# KiCad board TRS80IJP_1.kicad_pcb (continued)
## Routing (per net, layer and track width the routed paths; a pad name or vN(x,y) marks a point on that pad's centre or on a via; arc(x,y) is an arc through that point) (continued)
OUTSIG: length 397.2
  Top w0.25: v1(50.06,47.82) 48.97,48.92 45.67,48.92 45.66,48.9 45.66,48.92 43.13,51.46 38.23,51.46 37.37,52.32 35.32,52.32 34.2,51.2 34.2,50.89 34.34,50.75 34.34,49.8 33.45,48.92 28.39,48.92 v1(28.38,48.91) ; Z31.5 v1(28.43,52.87)
  Bottom w0.25: v1(28.43,52.87) 28.43,48.96 v1(28.38,48.91) 28.38,47.24 25.5,44.36 25.5,37.46 27.48,35.48 27.48,16.6 28.63,15.45 28.63,5.43 31.01,3.05 72.63,3.05 73.72,1.96 129.23,1.96 134.37,7.1 141.78,7.1 145.28,10.6 158.17,10.6 161.34,13.77 161.34,51.06 Z40.6 ; Z4.9 47.49,73.95 47.78,73.66 46.82,72.7 46.82,66.16 49.22,63.76 49.22,57.64 50.06,56.8 v1(50.06,47.82) 50.06,39.25 46.99,36.18 46.99,9.28 49.98,6.29 62.47,6.29 65.98,9.8 65.98,14.73 67.91,16.66 67.91,26.36 68.82,27.27 68.82,28.43 Z53.3
R1: length 399.3
  Top w0.25: v1(95.82,103.54) 96.99,102.37 98.87,102.37 98.94,102.3 104.62,102.3 105.95,103.63 108.41,103.63 Z8.10 121.05,103.67 v1(122.22,102.5) ; v1(75.56,60.42) 74.34,61.64 69.08,61.64 67.77,60.33 67.61,60.49 62.67,60.49 ; v1(208.73,127.69) 211.82,130.78 217.63,130.78 217.64,130.77 248.55,130.77 252.54,132.44 252.9,132.44 258.45,132.56 261.65,135.82 v1(262.6,135.82) ; Z7.14 92.19,118.05 92.16,118.05 91.61,117.5 81.83,117.5 v1(81.81,117.47) ; v1(82.42,59.22) 80.76,58.76 79.09,58.26 Z34.12 ; v1(174.52,96.7) 173.78,95.96 168.79,95.96 168.3,96.45 165.72,96.45 165.25,95.98 159.42,95.98 159.17,95.73 157.37,95.73 156.77,96.33 144.69,96.33 144.14,95.78 130.49,95.78 129.96,96.31 127.74,96.31 127.41,95.98 122.88,95.98 121.63,97.23 v1(121.63,98.33)
  Bottom w0.25: v1(208.73,127.69) 200.36,127.83 194.95,123.04 187.39,123.04 187.37,123.06 187.33,123.06 183.48,119.21 176.3,119.21 175.38,118.29 175.42,105.27 174,102.15 174.04,97.18 v1(174.52,96.7) ; v1(75.56,60.42) 75.6,60.42 Z34.12 ; v1(82.42,59.22) 82.51,59.22 82.91,59.62 82.91,65.62 80.21,68.32 80.21,82.6 80.65,83.04 80.65,94.28 79.25,95.68 79.24,95.68 79.24,97.39 80.65,98.8 80.65,110.52 81.86,111.73 81.86,117.42 v1(81.81,117.47) ; v1(121.63,98.33) 121.63,101.91 v1(122.22,102.5) ; 254.64,65.57 255.79,65.57 262.99,72.77 263.19,76.27 270.26,80.85 270.29,83.7 266.07,87.73 266.17,93.8 267.12,94.75 267.12,120.99 267.11,121.16 267.13,121.34 263.22,126.46 263.22,131.08 264.05,131.91 264.05,134.37 v1(262.6,135.82) ; v1(95.82,103.54) 95.21,104.15 95.21,116.75 Z7.14
R2: length 148.8
  Top w0.25: v1(67.88,55.41) 62.67,55.41 ; Z5.13 65.46,114.61 68.16,114.61 68.61,115.06 91.82,115.06 Z7.12 95.12,113.83 96.22,112.73 97.7,112.73 97.71,112.74 98.97,111.48 98.97,110.89 99.84,110.02 102.12,110.02 103.41,111.29 Z8.13 ; Z7.1 90.63,118.91 v1(90.75,118.79)
  Bottom w0.25: v1(67.88,55.41) 68.51,56.04 68.51,66.97 68.79,67.25 68.79,73.75 68.03,74.51 68.03,79.22 68.67,79.86 68.67,112 66.98,113.69 65.45,113.69 Z5.13 ; Z7.12 90.76,116.12 90.76,118.78 v1(90.75,118.79) ; 62.67,55.41 66.01,52.07 66.01,42.03 JP7.4
R4: length 177.1
  Top w0.25: v1(97.51,114.06) 97.74,113.83 Z8.3 ; v1(99.68,9.1) 99.2,9.1 98.54,9.76 86.96,9.76 86.51,9.31 82.06,9.31 81.42,9.95 72.69,9.95 69.32,6.58 46.32,6.58 JP8.4 ; v1(97.77,106.23) 97.75,106.21 Z7.9
  Bottom w0.25: v1(97.51,114.06) 98.53,113.04 98.53,106.99 v1(97.77,106.23) 97.77,98.37 JP6.1 98.88,91.45 98.88,90.07 98.57,89.76 98.57,79.54 98.17,79.14 98.17,63.01 99.2,61.98 99.2,42.97 100.31,41.86 100.31,37.87 98.98,36.54 98.98,18.58 99.68,17.88 v1(99.68,9.1)
R8: length 15.3
  Top w0.25: Z7.8 94.69,105.31 96.39,105.31 97.12,104.58 99.2,104.58 Z8.6
  Bottom w0.25: JP6.4 94.56,99.65 94.56,102.16 Z7.8
RAM: length 120.6
  Top w0.25: v1(182.12,15.3) 223.57,15.3 225.23,16.96 260.54,16.96 v1(261.02,17.44) ; Z60.3 173.42,32.5 Z59.15
  Bottom w0.25: v1(182.12,15.3) 182.12,18.3 180.21,20.21 180.21,30.54 Z60.3 ; Z64.11 260.25,28.13 260.25,18.21 v1(261.02,17.44)
RAS: length 235.1
  Top w0.25: Z66.12 292.68,27.33 291.9,27.33 291.89,27.34 287.95,27.34 v1(287.64,27.65) ; Z64.4 255.79,31.28 263.57,31.28 265.9,33.61 278.38,33.61 279.54,32.45 Z66.3
  Bottom w0.25: v1(287.64,27.65) 287.7,27.71 287.7,31.02 286.27,32.45 Z66.3 287.01,34.36 287.01,40.26 288.01,41.26 288.01,47.48 289.01,48.48 289.01,72.41 287.68,73.74 287.68,98.53 287.67,98.54 287.67,120.63 286.37,121.93 286.37,129.56 287.36,130.55 294.91,130.55 301.59,137.23 308.62,137.23 313.33,132.52 322.26,132.52 325.86,136.12 325.86,151.42 329.25,154.81 329.25,169.97 330.22,170.94 330.22,173.66 329.93,173.95 E1.1
RD: length 501.5
  Top w0.25: v1(349.98,83.5) 349.72,83.24 346.13,83.24 ; v1(274.21,16.89) 271.34,14.02 258.59,14.02 257.69,14.92 231.82,14.92 231.29,14.39 231.22,14.39 231.19,14.42 225.86,14.42 225.17,13.73 183.72,13.73 182.98,12.99 181.16,12.99 178.39,15.76 173.39,15.68 170.52,14.36 169.11,13.65 169.09,13.65 v1(167.49,12.05) ; Z29.5 103.77,80.79 104.95,81.97 111.16,81.97 112.51,80.62 122.19,80.62 125.31,83.74 156.28,83.74 v1(169.49,70.53) ; v1(347.33,71.85) 347.32,71.86 344.69,71.86 340.05,67.47 322.27,67.39 317.16,71.74 276.3,71.74 275.95,72.09 v1(275.7,72.09)
  Bottom w0.25: Z30.5 348.13,85.32 348.13,89.04 348.54,89.45 348.54,95.42 349.48,96.36 349.48,132.36 349.39,132.45 349.39,133.52 344.84,138.07 344.84,156.3 348.66,160.12 348.66,165.44 347.28,166.82 347.28,169.94 348.12,170.78 348.12,178.43 E1.15 ; v1(349.98,83.5) 350.58,82.9 350.58,82.3 350.5,75.89 v1(347.33,71.85) ; v1(169.49,70.53) 169.72,70.53 173.01,67.24 173.01,57.65 Z40.10 168.7,53.34 168.7,34.5 169.02,34.18 169.02,14.9 167.49,13.37 v1(167.49,12.05) ; v1(274.21,16.89) 274.21,17.88 273.2,18.89 273.2,56.71 272.38,57.53 272.38,68.77 v1(275.7,72.09)
RELAYA: length 37.4
  Top w1.5: K1.3 8.01,159.52 v1(7.96,159.57)
  Bottom w1.5: R1.1 15.69,144.3 16.24,144.85 16.19,144.91 K1.3 ; v1(7.96,159.57) 7.96,171.82 J3.1
RELAYB: length 41.4
  Bottom w1.5: 27.35,149.1 27.35,170.79 26.2,171.94 23.08,171.94 J3.3 ; 27.35,149.1 27.35,140.52 27.33,140.54 C2.2 ; 27.35,149.1 27.15,149.3 K1.1
ROMA: length 69.5
  Top w0.25: v1(182.84,22.39) 182.9,22.34 Z60.8 ; v1(196.09,68.25) 196.53,68.69 206.87,68.69 207.57,67.99 Z42.20 ; Z60.13 182.83,35.04 v1(182.82,35.04)
  Bottom w0.25: Z60.13 196.13,45.3 196.13,68.21 v1(196.09,68.25) ; v1(182.84,22.39) 182.82,22.41 v1(182.82,35.04)
ROMB: length 147.7
  Top w0.25: Z43.20 235.3,67.99 v1(235.5,68.19) ; Z60.2 180.21,33.08 183.75,33.08 184.51,33.84 190.24,33.84 190.65,33.43 JP2.2 198.51,33.43 200.66,35.58 205.92,35.58 206.6,36.26 210.83,36.26 211.48,36.91 214.36,36.91 215.11,36.16 217.32,36.16 219.12,34.36 219.12,33.82 219.61,33.33 221.37,33.33 221.72,33.68 226.35,33.68 226.36,33.67 227.59,33.67 230.23,36.31 232.89,36.31 233.5,35.7 235.14,35.7 235.61,36.17 243.07,36.17 v1(244.37,34.87)
  Bottom w0.25: R72.2 184.58,9.72 182.87,11.43 182.87,13.26 184.35,14.74 184.35,18.02 181.37,21 181.3,32.39 181.3,32.47 181.07,32.7 Z60.2 ; v1(244.37,34.87) 244.32,40.73 235.44,48.17 235.48,68.17 v1(235.5,68.19)
SCLR: length 25
  Top w0.25: Z57.9 142.6,17.27 143.73,18.4 150.29,18.4 150.91,17.78 154.84,17.78 Z58.9
  Bottom w0.25: R68.2 143.98,20.92 Z57.9
SHIFT: length 148
  Top w0.25: v1(72.93,51.56) 45.73,51.56 43.21,54.08 35.86,54.08 33.47,51.69 29.85,51.69 29.52,51.36 26.31,51.36 26.02,51.65 20.92,51.65 v1(20.87,51.6) ; Z6.14 75.46,116.43 v1(74.81,116.43)
  Bottom w0.25: v1(72.93,51.56) 74.02,52.65 74.02,70.1 73.96,70.1 72.85,71.21 72.85,74.26 72.26,74.85 72.26,81.36 Z27.4 72.5,85.36 72.5,107.01 74.81,109.32 v1(74.81,116.43) ; v1(20.87,51.6) 20.32,51.05 20.32,35.96 Z50.13
SHIFT57: length 53.8
  Top w0.25: v1(104.67,33.71) 126.93,33.71 127.34,34.12 130.19,34.12 130.62,33.69 135.58,33.69 136.76,32.51 Z57.15
  Bottom w0.25: v1(104.67,33.71) 103.88,32.92 103.88,26.26 105.47,24.67 105.47,22.99 104.14,21.66 101.99,21.66 101.3,22.35 Z55.6
SHIFT58: length 62.1
  Top w0.25: Z55.8 108.49,19.62 109.2,19.62 110.86,17.96 114.31,17.96 115.04,18.69 121.3,18.69 123.58,20.96 134.39,20.96 134.67,20.68 138.04,20.68 138.31,20.95 151.67,20.95 v1(153.12,19.5)
  Bottom w0.25: v1(153.12,19.5) 153.62,20 153.62,25.49 153.05,26.06 153.05,29.16 153.65,29.76 153.65,30.81 Z58.15
SHIFTQ: length 175.2
  Top w0.25: Z3.2 28.44,112.42 49.27,112.42 v1(50.01,113.16) ; v1(51.29,56.6) 56.48,56.6 58.47,54.61 58.47,53.31 v1(58.42,53.26) ; v1(90.67,23.5) 69.11,23.5 66.68,21.07 v1(60.29,21.07)
  Bottom w0.25: v1(90.67,23.5) 90.67,26.36 91.26,26.95 91.26,30.57 Z54.13 ; v1(60.29,21.07) 61.17,21.95 61.17,38.18 56.96,41.46 57.07,51.86 57.07,51.91 v1(58.42,53.26) ; v1(51.29,56.6) 50.15,57.74 50.15,64.17 47.91,66.41 47.91,72.45 48.88,73.42 48.88,91.11 48.47,91.52 48.47,98.17 49.3,99 49.3,112.45 v1(50.01,113.16)
  Bottom w1: Z3.2 Z3.1
SYNC: length 105.8
  Top w0.25: R11.1 36.1,130.31 46.13,130.31 47.11,129.33 47.11,128.04 48.02,127.13 50.78,127.13 51.63,127.98 C43.2 ; v1(29.69,59.2) 36.21,59.2 37.48,57.93 37.5,57.95 Z32.3
  Bottom w0.25: R11.1 32.92,127.13 32.92,121.77 34,120.69 34,99.59 35.69,97.9 35.69,93.11 34.04,91.46 34.04,67.14 29.7,62.8 29.7,59.21 v1(29.69,59.2)
SYSRES: length 362.4
  Top w0.25: v1(177.1,46.39) 178.11,47.4 205.77,47.4 207.01,46.16 215.68,46.16 217.61,48.09 222.46,48.09 224.21,46.34 259.5,46.34 262.91,42.93 266.68,42.93 268.2,44.45 274.34,44.45 v1(274.55,44.24) ; E1.2 329.93,173.46 329.91,173.44 329.91,173.32 v1(328.35,171.76) ; v1(165.69,23.55) 165.81,23.67 v1(173.19,23.67)
  Bottom w0.25: v1(165.69,23.55) 165.69,16.67 158.85,9.83 145.74,9.83 142.16,6.25 139.07,6.26 138.42,6.26 CN2.9 ; v1(274.55,44.24) 274.55,55.04 275.75,56.24 275.75,57.99 275.73,58.01 275.73,61.31 Z45.13 275.66,64.76 275.66,69.24 278.04,71.62 278.04,79.92 280.57,82.45 280.57,99.66 280.94,100.03 280.94,117.88 279.66,119.16 279.66,123.38 278.66,124.38 278.66,129.42 280.7,131.46 294.56,131.46 301.32,138.22 309.24,138.22 314,133.46 321.23,133.46 324.51,136.74 324.51,151.95 328.35,155.79 v1(328.35,171.76) ; v1(173.19,23.67) 172.85,24.01 172.85,33.22 176.46,36.83 176.46,45.75 v1(177.1,46.39)
TEST: length 263.3
  Top w0.25: Z46.11 295.52,57.95 296.73,56.73 302.03,56.73 303.36,55.41 Z47.10 308,55.27 R55.2 ; v1(365.73,135.19) 359.18,135.19 357.92,136.45 350.65,136.45 349.9,137.2 342.35,137.2 341.32,136.17 340.38,136.17 339.38,137.17 336.91,137.17 336.59,136.85 v1(328.34,136.85) ; Z48.25 332.05,28.6 332.05,36.84 326.38,42.51 316.65,42.69 316.1,42.78 v1(315.62,43.28)
  Bottom w0.25: v1(315.62,43.28) 314.27,43.92 R55.2 ; Z46.11 294.72,60.1 294.72,70.39 292.89,72.22 292.89,85.85 295.32,88.28 295.32,124.23 297.96,126.87 300.99,126.87 302.44,125.42 306.67,125.42 310.1,130.66 322.15,130.66 v1(328.34,136.85) ; E1.23 358.37,178.34 358.37,172.53 358.33,172.49 358.33,171.43 357.33,170.43 357.33,166.46 357.6,166.19 358.28,165.45 358.83,164.98 365.59,159.72 365.48,150.27 366.21,149.54 366.21,135.67 v1(365.73,135.19)
V: length 54.1
  Top w0.25: Z32.9 51.37,50.33 v1(52.17,49.53) ; v1(51.91,21.38) 52.05,21.38 52.39,21.04 57.5,21.04 59.47,19.07 61.44,19.07 62.18,19.81 Z52.8
  Bottom w0.25: v1(52.17,49.53) 51.91,49.27 v1(51.91,21.38) ; Z32.9 49.05,51.85 49.08,51.85 49.08,56.4 Z32.12
VCLR: length 203.1
  Top w0.25: Z56.1 120.6,35.05 v1(120.7,35.15) ; v1(77.92,13.45) 81.48,13.45 83.1,11.83 85.69,11.83 86.06,12.2 109.28,12.2 109.67,11.81 119.71,11.81 v1(119.94,12.04) ; v1(119.83,78.27) 122.06,78.27 122.98,79.19 127.28,79.19 128.76,80.67 133.74,80.67 134.5,79.91 136.99,79.91 138.9,81.82 151.8,81.82 v1(154.25,79.37)
  Bottom w0.25: v1(119.94,12.04) 119.79,12.19 119.79,28.85 121.42,30.48 121.42,34.43 v1(120.7,35.15) 120.96,35.41 120.96,52.25 121.61,52.9 121.61,57.64 121.04,58.21 121.04,65.73 120.65,66.12 120.65,77.45 v1(119.83,78.27) ; v1(154.25,79.37) 152.05,81.83 152.26,104.95 153.65,106.34 153.65,115.45 151.47,117.63 Z11.1 ; Z53.8 77.98,13.51 v1(77.92,13.45)
VDRV: length 464.7
  Top w0.25: 254.64,63.03 251,63.03 v1(250.74,62.77) ; v1(59.55,112.97) 59.7,112.97 59.99,112.68 64.03,112.68 65.06,113.71 68.02,113.71 69.28,112.45 88.32,112.45 89.6,111.29 Z7.11 ; v1(187.95,86.52) 188.11,86.68 192.92,86.68 194.64,84.96 224.33,84.96 225.56,83.73 246.98,83.73 247.84,84.59 257.35,84.59 258.58,83.36 v1(258.58,83.11) ; v1(196.42,122.28) 196.09,122.61 171.26,122.61 166.18,127.69 124.7,127.89 123.48,129.59 123.25,129.96 123.06,130.26 122.46,131.16 117.68,131.16 114.08,127.56 101.53,127.56 99.18,125.21 99.18,125.15 75.54,125.15 72.41,128.28 60.22,128.28 58.76,126.82 v1(58.76,125.85) ; Z54.2 84.14,32.51 84.1,32.47 80.54,32.47 79.31,33.7 68.44,33.7 65.89,31.15 60.11,31.15 58.75,32.51 Z52.2
  Bottom w0.25: Z54.2 85.92,32.85 86.35,32.85 88.02,34.52 88.02,34.76 88.01,34.77 88.01,52.25 90.6,54.84 90.6,67.26 87.92,69.94 87.92,79.82 89.97,81.87 89.97,97.58 87.35,100.2 87.35,106.63 89.83,109.11 90.87,109.11 Z7.11 ; v1(58.76,125.85) 55.28,122.37 55.28,119.78 55.35,119.71 55.35,119.11 Z5.1 55.19,118.91 57.3,116.8 57.3,115.22 v1(59.55,112.97) ; v1(250.74,62.77) 250.74,72.69 258.58,80.53 v1(258.58,83.11) ; v1(187.95,86.52) 187.39,87.08 187.39,105.73 186.38,106.74 186.38,118.8 186.03,119.15 186.03,120.6 187.71,122.28 v1(196.42,122.28)
VID: length 297
  Top w0.25: Z61.9 213.63,19.75 212.48,20.9 207.69,20.9 207.26,21.33 203.61,21.33 202.84,20.56 200.06,20.56 199.35,21.27 197.64,21.27 v1(196.07,19.7) ; v1(151.73,33.82) 156.86,33.82 158.37,32.31 160.79,32.31 162.16,33.68 164.6,33.68 167.17,36.25 171.73,36.25 173.06,34.92 175.8,34.92 177.1,36.22 180.58,36.22 180.9,36.54 184.39,36.54 184.65,36.28 188.05,36.28 188.49,35.84 v1(196.09,35.84) ; v1(82.03,48.93) 81.95,49.01 73.37,49.01 v1(73.04,49.34) ; v1(104.69,62.99) 104.65,63.03 Z36.1 ; Z53.10 v1(73.6,24.89) ; v1(81.7,42.63) 82.52,41.81 95.76,41.81 96.54,41.03 96.54,40.06 96.53,40.05 96.53,40.01 97.2,39.34 101.33,39.34 102.63,40.64 v1(103.48,40.64) 104.27,39.85 128.04,39.85 128.37,39.52 151.17,39.52 151.73,40.08 v1(151.73,40.25)
  Bottom w0.25: Z36.1 98.95,64.8 98.95,79.04 99.32,79.41 99.32,89.42 100.85,90.95 Z29.1 99.43,92.38 99.43,117.51 Z8.1 ; v1(73.6,24.89) 73.03,25.46 73.03,49.33 v1(73.04,49.34) ; v1(81.7,42.63) 82.03,42.96 v1(82.03,48.93) ; v1(104.69,62.99) 104.69,54.72 103.89,53.92 103.89,41.05 v1(103.48,40.64) ; v1(151.73,33.82) v1(151.73,40.25) ; v1(196.07,19.7) 196.77,20.4 196.77,35.16 v1(196.09,35.84)
VRD: length 117.1
  Top w0.25: v1(60.17,76.94) 64.26,76.94 65.27,75.93 67.96,75.93 68.91,76.88 73.84,76.88 76.28,74.44 80.09,74.44 80.91,73.62 95.46,73.62 97.55,75.71 Z29.7 ; v1(60.18,68.54) 59.35,67.71 33,67.71 v1(32.47,68.24)
  Bottom w0.25: v1(60.18,68.54) 60.17,68.55 v1(60.17,76.94) ; Z51.1 24.53,44.96 24.43,45.06 26.57,47.2 26.57,62.63 32.18,68.24 v1(32.47,68.24)
VWR: length 304.5
  Top w0.25: v1(25.79,14.33) 26.28,14.82 95.46,14.82 v1(95.66,14.62) ; Z10.10 139.82,96.96 135.29,96.96 133.71,98.54 131.24,98.54 130.01,97.31 Z9.10 ; v1(143.83,63.66) 144.13,63.66 144.77,64.3 151.87,64.3 154.51,61.66 166.17,61.66 167.47,60.36 167.51,60.4 Z40.12 ; Z29.12 111.17,80.79 112.02,79.94 122.96,79.94 125.93,82.91 135.03,82.91 v1(135.67,82.27) ; v1(98.31,40.8) 99.78,42.27 104.33,42.27 105.84,40.76 128.46,40.76 128.71,40.51 144.54,40.51 v1(145.32,41.29)
  Bottom w0.25: Z10.10 140.35,89.3 v1(135.67,82.27) 137.56,79.65 137.8,78.71 138.1,69.65 143.83,64.86 v1(143.83,63.66) 144.1,63.39 144.1,53.06 143.65,52.61 143.65,43.36 143.64,43.35 143.64,42.97 v1(145.32,41.29) ; Z51.2 26.6,30.44 26.6,15.14 v1(25.79,14.33) ; v1(98.31,40.8) 95.16,37.65 95.16,15.12 v1(95.66,14.62)
  Bottom w1: Z40.12 Z40.13
WAIT: length 256.8
  Top w0.25: v1(312.38,42.07) 316.61,41.2 317.85,39.97 327.44,39.97 331.25,36.15 331.25,26.86 Z48.24 ; v1(325.96,105.94) 326.95,103.72 329.05,103.66 341.25,103.66 341.58,103.99 343.34,103.99 344.43,102.9 360.82,102.9 366.71,108.79 371.96,108.79 373.23,107.52 v1(381.59,107.52) 381.69,107.42 R41.2
  Bottom w0.25: v1(312.38,42.07) 312.36,54.1 311.68,54.78 311.68,67 313.44,68.76 313.44,80.94 314.64,82.14 320.05,82.14 320.07,82.12 320.51,82.13 324.73,85.28 324.76,85.83 324.76,104.74 v1(325.96,105.94) ; E1.33 371.07,178.34 371.07,170.19 370.85,169.97 370.85,167.89 375.22,163.78 375.23,163.5 375.22,163.49 375.22,144.78 377.91,143.05 383.14,139.9 383.14,109.03 381.63,107.52 v1(381.59,107.52)
WR: length 372
  Top w0.25: v1(174.51,73.11) 171.68,75.94 169.79,75.94 158.01,87.72 123.65,87.72 122.65,88.72 120.9,88.72 118.77,86.59 117.72,86.59 116.92,87.39 113.59,87.39 112.62,86.42 109.04,86.42 108.48,85.87 Z29.14 ; v1(175.13,87.07) 177.11,89.05 195.21,89.05 196.75,87.51 201.82,87.51 205.74,91.43 213.13,91.43 216.68,87.88 223.72,87.88 226.14,90.3 231.2,90.3 232.08,91.18 233.72,91.18 234.62,90.28 236.06,90.28 237.01,91.23 245.13,91.23 246.2,90.16 247.33,90.16 248.27,91.1 250.94,91.1 252.29,89.75 v1(253.19,89.75) ; 346.13,88.32 343,88.32 341.92,89.4 331.65,89.4 324.75,82.48 309.75,82.58 308.65,81.48 304.61,81.48 302.81,83.28 R110.1 294.51,82.67 293.38,82.7 287.97,82.7 287.06,83.61 273.15,83.61 272.16,82.62 271.09,82.62 264,82.56 263.9,82.46 v1(263.53,82.46)
  Bottom w0.25: v1(253.19,89.75) 253.19,89.38 256.39,86.18 259.81,86.18 v1(263.53,82.46) ; 346.13,88.32 347.75,89.94 347.75,95.75 348.64,96.64 348.6,132.86 343.99,136.99 344.28,157.18 344.36,157.83 344.36,166.16 345.47,167.27 345.47,170.1 344.51,171.06 344.51,172.63 345.62,173.74 345.62,178.39 E1.13 ; v1(175.13,87.07) 175.6,86.6 175.6,74.2 v1(174.51,73.11)
Z3_5: length 62.3
  Top w0.25: CR4.2 27.23,129.07 v1(30.67,129.07) ; v1(30.95,159.39) 25.78,159.4 23.91,159.4 23.78,159.53
  Bottom w0.25: Z3.5 30.31,113.08 30.31,128.36 v1(30.67,129.07) v1(30.95,159.39)
Z3_6_7: length 11.6
  Top w0.25: Z4.2 38.37,116.37 36.84,114.84 35.17,114.84 33.64,116.37 Z3.7
  Bottom w1: Z3.6 Z3.7
Z23DIR: length 80.5
  Top w0.25: Z47.11 316.61,57.95 v1(316.75,57.8)
  Bottom w0.25: 330.75,122.85 328.81,120.92 328.81,120.53 328.85,104.57 327.31,103.03 326.98,86.24 326.96,85.69 326.86,84.65 317.9,78.04 317.9,58.94 316.76,57.8 v1(316.75,57.8)
Z251IN+: length 26.1
  Bottom w0.2: Z25.1 24.49,91 25.86,92.37 25.86,96.48 22.18,100.16 22.18,111.16 R35.1
Z251IN-: length 21
  Bottom w0.2: 24.49,78.25 17.17,78.25 9.94,85.47 9.75,85.47 R45.2
  Bottom w1.5: R44.1 R45.2
Z251OUT: length 12.1
  Top w0.25: Z25.5 19.49,80.79 CR6.2
  Bottom w0.25: CR6.2 17.5,82.78 17.5,84.57 18.88,85.95 R45.1
Z252IN+: length 25.1
  Bottom w0.2: Z25.2 21.4,91.5 21.4,95.72 21.31,95.81 21.31,106.99 R38.1
  Bottom w1.5: R36.2 19.46,108.76 R38.1
Z252IN-: length 7.3
  Top w0.2: R43.1 19.42,90.94 Z25.3
Z252OUT: length 28.6
  Top w0.25: R43.2 15.86,91.04 15.88,91.02 16.91,91.02 R44.2 19.43,88.39 Z25.4 19.47,83.33 CR5.2 ; 9.26,96.07 R42.1
  Top w1.5: R43.2 9.26,96.07
Z253IN+: length 4
  Top w0.2: 36.07,88.41 R46.1
  Top w1: Z25.13 36.07,88.41
Z253IN-: length 4
  Top w0.2: R47.1 36.08,75.71 Z25.8
Z253OUT: length 34.6
  Bottom w0.25: C50.1 16.58,54.98 17.05,55.5 17.34,55.85 17.83,55.86 18.37,55.86 20.68,55.84 22.82,57.98 22.82,63.52 23.97,64.67 26.96,64.67 30.55,68.26 30.55,76.69 32.11,78.25
Z254IN+: length 38.6
  Bottom w0.2: R33.2 19.75,118.94 20.18,118.51 20.18,118.5 20.77,117.91 22.96,116.16 22.96,100.79 28.54,95.21 28.54,89.44 Z25.12
Z254IN-: length 42.3
  Bottom w0.2: Z25.11 28.74,79.96 28.74,69.08 26.31,66.65 22.57,66.65 20.93,65.01 20.93,62.73 18.79,60.59 R50.1 15.57,57.99 9.97,57.99 9.96,57.98 9.95,57.99 R51.2
Z254OUT: length 56.8
  Top w0.25: v1(44.14,77.2) 37.52,77.2 Z25.10
  Bottom w0.25: CR7.2 44.14,83.74 v1(44.14,77.2) ; Z25.10 29.63,78.31 29.63,68.64 26.51,65.52 23.34,65.52 21.95,64.13 21.95,59.88 19.99,57.92 18.26,57.92 R51.1
  Bottom w1.5: R46.2 CR7.2
Ø: length 64.1
  Top w0.25: Z48.6 311.88,51.54 311.42,51.08 310.19,51.08 309.78,51.49 295.65,51.49 v1(295.37,51.77)
  Bottom w0.25: R75.1 294.53,18.2 294.62,25.08 294.33,25.37 294.33,28.3 Z66.13 294.69,31.88 294.69,38.64 293.61,39.72 293.54,47.84 v1(295.37,51.77)
Net-(C1-Pad1): length 20.4
  Bottom w0.25: R33.1 9.92,119.56 9.92,128.94 8.54,130.32 C1.1
  Bottom w1.5: R36.1 9.3,113.84 R35.2 9.32,116.43 R34.2 9.31,118.93 R33.1
Net-(C2-Pad1): length 6.2
  Top w1.5: C2.1 R1.2
Net-(C5-Pad2): length 42.8
  Top w2: 80.49,154.8 80.45,154.84 80.48,154.87 S1.8 ; 80.49,154.8 80.49,145.32 R12.1 ; 80.49,154.8 56.79,154.8 C5.2
Net-(C17-Pad2): length 8.9
  Bottom w0.25: R42.2 C18.1 19.46,101.08 C17.2
Net-(C18-Pad2): length 9.2
  Bottom w0.25: C18.2 10.78,106.56 R38.2
Net-(C40-Pad1): length 219.3
  Top w0.25: v1(329.64,152.12) 330.69,151.07 335.41,151.07 336.6,152.26 340.07,152.26 340.8,151.53 348.95,151.53 350.41,152.99 361.53,152.99 362.57,151.95 382.75,151.95 v1(382.77,151.97)
  Bottom w0.25: Z47.4 302.02,59.73 302.02,66.72 301.56,67.18 301.56,123.6 302.67,124.71 307.19,124.78 310.36,129.66 310.63,129.72 323.53,129.72 330.27,136.46 330.27,151.49 v1(329.64,152.12) ; R31.1 394.6,124.3 R32.2 ; R31.1 390.84,115.38 C40.1 ; R31.1 392.08,125.54 392.11,125.54 392.68,126.11 392.68,140.6 383.29,146.43 v1(382.77,151.97)
Net-(C50-Pad2): length 20
  Top w0.25: Z31.10 30.64,54.43 26.64,54.43 26.34,54.13 C50.2
  Bottom w1: R53.1 R52.1 18.18,52.45 C50.2
Net-(C57-Pad1): length 44.4
  Top w0.25: 300.24,52.87 296.25,52.87 294.83,54.28 294.83,55.94 294.12,56.65 283.65,56.65 282.9,55.9 282.9,53.19 C57.1 279.47,53.93 279.48,57.05 278.59,57.95 Z45.11
  Bottom w0.25: Z45.9 279.22,54.64 279.22,57.41 278.72,57.92 Z45.11
  Bottom w1.5: Z45.8 Z45.9
Net-(C60-Pad1): length 46.7
  Top w0.25: 19.08,28.65 10.57,28.65 Z50.3 ; 19.1,28.64 C60.1
  Bottom w0.25: C60.1 22.13,25.88 22.13,20.26 21.9,20.03 21.9,15.49 22.32,15.07 22.32,5.76 21.2,4.64 17.26,4.64 16.59,5.31 R57.1
Net-(C60-Pad2): length 23.5
  Top w0.25: Z50.6 Z50.9 16.88,22.34 C60.2
  Bottom w0.25: Z50.6 11.33,20.7 11.33,18.04 R56.2
Net-(C70-Pad1): length 45.1
  Top w0.25: Z47.1 305.22,65.57 v1(305.32,65.46)
  Bottom w0.25: v1(305.32,65.46) 305.32,56.28 302.25,53.21 302.01,43.8 300.24,42.76 C70.1 ; Z47.1 297.78,68.49 R49.1
  Bottom w1: Z47.1 300.24,63.03
Net-(CR1-+): length 59.9
  Bottom w2: 87.21,148.8 92.02,148.8 92.07,148.75 92.16,148.84 92.16,149.94 88.57,149.94 88.51,149.88 ; 87.21,148.8 87.21,147.26 S1.2 ; 87.21,148.8 S1.2 S1.2 93.32,147.26 S1.2 S1.2 ; S1.2 72.96,147.25 72.94,147.23 72.94,159.22 72.73,159.43 CR1.1
Net-(CR1--): length 16.3
  Bottom w2: CR1.3 S1.1 S1.1
Net-(CR1-Pad2): length 14.9
  Bottom w2: CR1.2 79.11,159.43 79.12,159.44 79.05,159.51 79.05,171.85
Net-(CR1-Pad4): length 24.9
  Bottom w2: CR1.4 64.14,151.91 64.05,151.99 64.05,171.85
Net-(CR5-K): length 23.9
  Bottom w0.25: C48.2 9.11,76.01 9.06,67.98 9.8,67.24 9.8,62.38 R50.2
  Bottom w1.5: CR5.1 CR6.1 9.26,78.39 C48.2
Net-(CR7-K): length 11.2
  Top w0.25: CR7.1 43.66,85.84 CR8.2
Net-(CR8-K): length 15.5
  Top w0.25: CR8.1 42.44,83.25 C41.2
  Bottom w1.25: R47.2 46.25,79.44 C41.2
Net-(J1-Pad2): length 43.7
  Bottom w2: S1.4 S1.4 93.32,176.1 93.14,176.28 71.54,176.28 71.55,176.27 71.55,171.86 J1.2
Net-(J3-Pad5): length 82.6
  Bottom w1.5: J3.5 20.8,169.1 20.8,164.64 25.65,164.64 25.65,170.09 25.49,170.24 24.1,170.24 23.82,169.96 22.22,169.96 21.09,171.08 21.09,172.68 22.22,173.81 26.74,173.81 29.05,171.49 29.05,139.82 28.05,138.82 26.65,138.82 26.63,138.84 25.29,138.84 25.24,138.79 23.8,138.79 22.08,140.51 22.08,136.77 R2.2 24.55,136.76 R3.1 24.57,134.14 R4.1
Net-(JP1-Pin_2): length 29.5
  Bottom w0.25: R71.2 185.32,12.32 185.94,12.94 185.94,19.72 184.52,21.14 184.52,24.25 185.15,24.88 Z60.9 187.37,26.73 187.48,34.07 187.85,34.46 JP1.2
Net-(JP3-Pin_2): length 36.5
  Top w0.25: JP3.2 190.61,25.87 190.4,26.08 183.34,26.08 182,27.42 Z60.5 ; 190.97,22.36 v1(201.33,22.36)
  Top w1.5: v1(190.95,22.34) 190.97,22.36
  Bottom w0.25: v1(201.33,22.36) 199.37,24.32 199.37,28.07 R70.2
  Bottom w1.5: JP3.2 190.96,22.38 190.95,22.37 v1(190.95,22.34)
Net-(JP4-Pin_1): length 11.2
  Top w0.25: JP4.1 58.95,10.77 66.37,10.77 R65.2
Net-(JP4-Pin_2): length 21.2
  Bottom w0.25: Z53.4 68.9,25.97 68.9,16.25 67.4,14.75 67.4,12.31 JP4.2
  Bottom w1.5: JP4.3 JP4.2
Net-(JP5-Pin_1): length 5.2
  Top w0.25: R67.2 79.33,40.1 JP5.1
Net-(JP5-Pin_2): length 8
  Bottom w0.25: Z53.1 69.05,36.37 69.03,38.9 69.04,39.15 JP5.2
  Bottom w1.5: JP5.3 JP5.2
Net-(JP6-Pin_2): length 47.7
  Top w0.25: v1(58.88,98.46) 59.32,98.9 83.52,98.9 83.97,98.45 JP6.3
  Top w1.5: JP6.2 JP6.3
  Bottom w0.25: Z5.2 57.8,113.72 57.8,109.41 58.88,108.33 v1(58.88,98.46)
Net-(JP7-Pin_1): length 11.8
  Bottom w0.25: JP7.1 65.15,43.71 65.15,45.18 65.19,49.74 65.19,50.35 Z33.10
Net-(JP7-Pin_2): length 8
  Bottom w0.25: JP7.2 53.77,36.33 53.82,36.28 53.82,36.25 Z52.1
  Bottom w1.5: JP7.3 JP7.2
Net-(JP8-Pin_1): length 2.7
  Bottom w1.5: R64.2 44.81,10.74 JP8.1
Net-(JP8-Pin_2): length 23.3
  Top w0.25: Z52.10 57.43,24.89 v1(57.41,24.87)
  Bottom w0.25: JP8.2 55.52,10.69 56.86,12.03 56.86,24.32 v1(57.41,24.87)
  Bottom w1.5: JP8.3 JP8.2
Net-(JP9-Pin_2): length 10.4
  Bottom w1.5: J2.1 34.84,170.65 JP9.2
Net-(JP10-Pin_1): length 293.2
  Top w0.25: v1(100.84,121.14) 100.84,121.12 101.36,120.6 103.44,120.6 106.44,117.6 110.23,117.6 111.97,119.34 135.37,119.34 135.73,118.98 v1(135.77,118.98) ; v1(173.51,50.36) 174.2,51.05 188.93,51.05 189.46,51.58 197.26,51.58 197.82,51.02 205.6,51.02 207.7,48.92 214.74,48.92 217.1,51.28 222.07,51.28 222.33,51.26 224.91,49.95 225.84,49.5 227.62,49.5 228.23,48.89 230.13,48.89 230.69,49.45 246.08,49.45 251.45,54.82 252.59,54.82 253.3,54.11 258.24,54.11 260.72,56.59 265.82,56.59 268.3,59.07 279.62,59.07 280.75,57.95 Z46.4 ; v1(177.58,81.21) 177.53,81.26 170.58,81.26 159.93,91.91 136.51,91.91 v1(135.82,92.6)